# Altium PCB PCB1.PcbDoc (part 8 of 14) (continued)
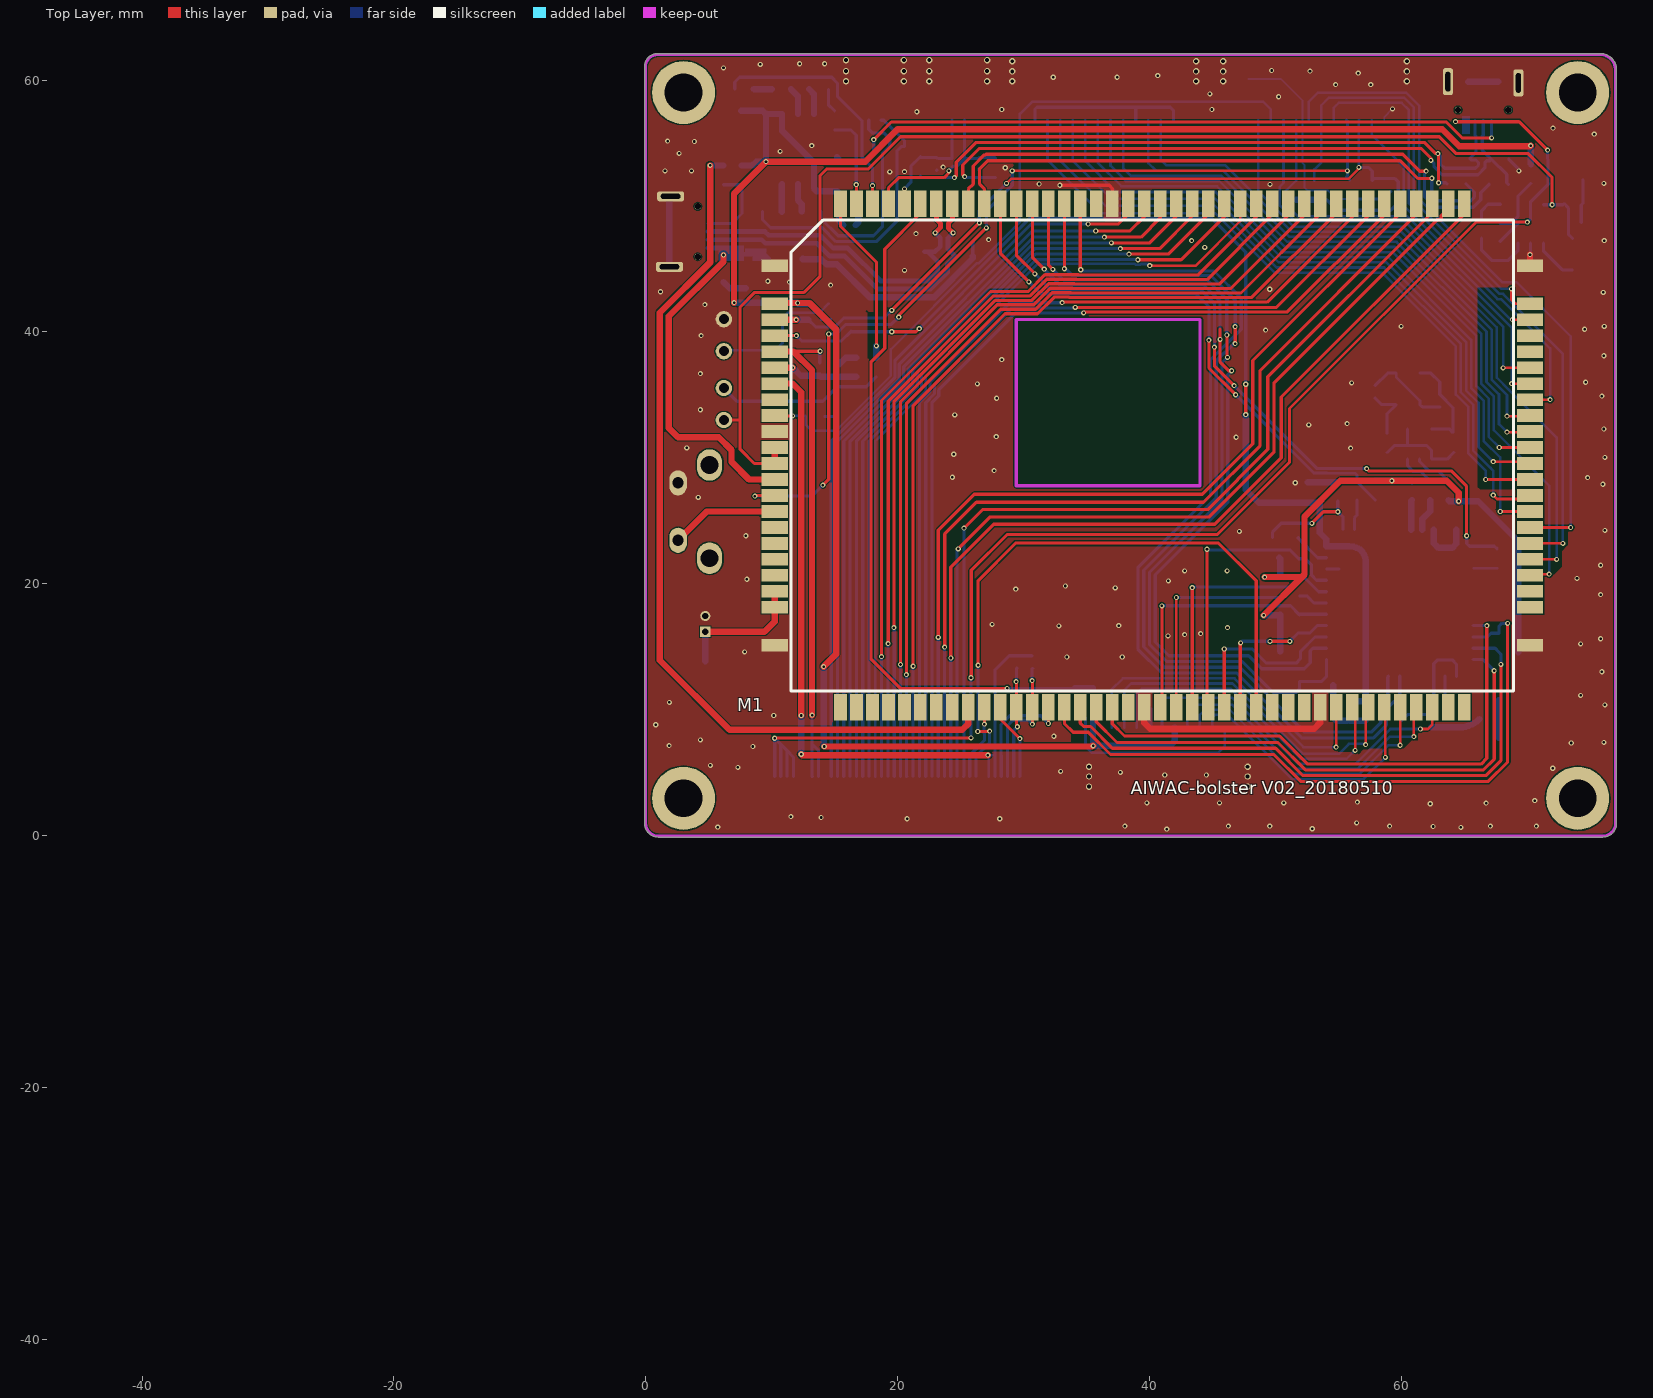
[diagram p0: Top Layer view]
## Free pads (board coordinates) (continued)
1(-45.239,-40.472) 1(-45.239,-40.472) 1(-45.239,-40.499) 1(-45.239,-40.499) 1(-45.239,-40.499) 1(-45.239,-40.511) 1(-45.239,-40.511) 1(-45.239,-40.511) 1(-45.239,-40.483) 1(-45.239,-40.483) 1(-45.239,-40.483) 1(-45.239,-40.483) 1(-45.239,-40.483) 1(-45.239,-40.483) 1(-45.239,-40.466) 1(-45.239,-40.466) 1(-45.239,-40.466) 1(-45.239,-40.465) 1(-45.239,-40.465) 1(-45.239,-40.465) 1(-45.239,-40.465) 1(-45.239,-40.465) 1(-45.239,-40.465) 1(-45.239,-40.488) 1(-45.239,-40.488) 1(-45.239,-40.488) 1(-45.239,-40.488) 1(-45.239,-40.488) 1(-45.239,-40.488) 1(-45.239,-40.487) 1(-45.239,-40.487) 1(-45.239,-40.487) 1(-45.239,-40.487) 1(-45.239,-40.487) 1(-45.239,-40.487) 1(-45.239,-40.487) 1(-45.239,-40.487) 1(-45.239,-40.487) 1(-45.239,-40.486) 1(-45.239,-40.486) 1(-45.239,-40.486) 1(-45.239,-40.483) 1(-45.239,-40.483) 1(-45.239,-40.483) 1(-45.239,-40.482) 1(-45.239,-40.482) 1(-45.239,-40.482) 1(-45.239,-40.482) 1(-45.239,-40.482) 1(-45.239,-40.482) 1(-45.239,-40.482) 1(-45.239,-40.482) 1(-45.239,-40.482) 1(-45.239,-40.482) 1(-45.239,-40.482) 1(-45.239,-40.482) 1(-45.239,-40.493) 1(-45.239,-40.493) 1(-45.239,-40.493) 1(-45.239,-40.493) 1(-45.239,-40.493) 1(-45.239,-40.493) 1(-45.239,-40.493) 1(-45.239,-40.493) 1(-45.239,-40.493) 1(-45.239,-40.491) 1(-45.239,-40.491) 1(-45.239,-40.491) 1(-45.239,-40.49) 1(-45.239,-40.49) 1(-45.239,-40.49) 1(-45.239,-40.488) 1(-45.239,-40.488) 1(-45.239,-40.488) 1(-45.239,-40.488) 1(-45.239,-40.488) 1(-45.239,-40.488) 1(-45.239,-40.516) 1(-45.239,-40.516) 1(-45.239,-40.516) 1(-45.239,-40.516) 1(-45.239,-40.516) 1(-45.239,-40.516) 1(-45.239,-40.479) 1(-45.239,-40.479) 1(-45.239,-40.479) 1(-45.239,-40.479) 1(-45.239,-40.479) 1(-45.239,-40.479) 1(-45.239,-40.473) 1(-45.239,-40.473) 1(-45.239,-40.473) 1(-45.239,-40.473) 1(-45.239,-40.473) 1(-45.239,-40.473) 1(-45.239,-40.474) 1(-45.239,-40.474) 1(-45.239,-40.474) 1(-45.239,-40.474) 1(-45.239,-40.474) 1(-45.239,-40.474) 1(-45.239,-40.498) 1(-45.239,-40.498) 1(-45.239,-40.498) 1(-45.239,-40.498) 1(-45.239,-40.498) 1(-45.239,-40.498) 1(-45.239,-40.498) 1(-45.239,-40.498) 1(-45.239,-40.498) 1(-45.239,-40.497) 1(-45.239,-40.497) 1(-45.239,-40.497) 1(-45.239,-40.502) 1(-45.239,-40.502) 1(-45.239,-40.502) 1(-45.239,-40.502) 1(-45.239,-40.502) 1(-45.239,-40.502) 1(-45.239,-40.502) 1(-45.239,-40.502) 1(-45.239,-40.502) 1(-45.239,-40.502) 1(-45.239,-40.502) 1(-45.239,-40.502) 1(-45.239,-40.465) 1(-45.239,-40.465) 1(-45.239,-40.465) 1(-45.239,-40.465) 1(-45.239,-40.465) 1(-45.239,-40.465) 1(-45.239,-40.517) 1(-45.239,-40.517) 1(-45.239,-40.517) 1(-45.239,-40.517) 1(-45.239,-40.517) 1(-45.239,-40.517) 1(-45.238,-40.481) 1(-45.238,-40.481) 1(-45.238,-40.481) 1(-45.238,-40.481) 1(-45.238,-40.481) 1(-45.238,-40.481) 1(-45.238,-40.484) 1(-45.238,-40.484) 1(-45.238,-40.484) 1(-45.238,-40.484) 1(-45.238,-40.484) 1(-45.238,-40.484) 1(-45.238,-40.485) 1(-45.238,-40.485) 1(-45.238,-40.485) 1(-45.238,-40.485) 1(-45.238,-40.485) 1(-45.238,-40.485) 1(-45.238,-40.485) 1(-45.238,-40.485) 1(-45.238,-40.485) 1(-45.238,-40.499) 1(-45.238,-40.499) 1(-45.238,-40.499) 1(-45.238,-40.498) 1(-45.238,-40.498) 1(-45.238,-40.498) 1(-45.238,-40.498) 1(-45.238,-40.498) 1(-45.238,-40.498) 1(-45.238,-40.465) 1(-45.238,-40.465) 1(-45.238,-40.465) 1(-45.238,-40.471) 1(-45.238,-40.471) 1(-45.238,-40.471) 1(-45.238,-40.471) 1(-45.238,-40.471) 1(-45.238,-40.471) 1(-45.238,-40.466) 1(-45.238,-40.466) 1(-45.238,-40.466) 1(-45.238,-40.517) 1(-45.238,-40.517) 1(-45.238,-40.517) 1(-45.238,-40.517) 1(-45.238,-40.517) 1(-45.238,-40.517) 1(-45.238,-40.49) 1(-45.238,-40.49) 1(-45.238,-40.49) 1(-45.238,-40.49) 1(-45.238,-40.49) 1(-45.238,-40.49) 1(-45.238,-40.49) 1(-45.238,-40.49) 1(-45.238,-40.49) 1(-45.238,-40.471) 1(-45.238,-40.471) 1(-45.238,-40.471) 1(-45.238,-40.471) 1(-45.238,-40.471) 1(-45.238,-40.471) 1(-45.238,-40.47) 1(-45.238,-40.47) 1(-45.238,-40.47) 1(-45.238,-40.47) 1(-45.238,-40.47) 1(-45.238,-40.47) 1(-45.238,-40.47) 1(-45.238,-40.47) 1(-45.238,-40.47) 1(-45.238,-40.467) 1(-45.238,-40.467) 1(-45.238,-40.467) 1(-45.238,-40.467) 1(-45.238,-40.467) 1(-45.238,-40.467) 1(-45.238,-40.498) 1(-45.238,-40.498) 1(-45.238,-40.498) 1(-45.238,-40.487) 1(-45.238,-40.487) 1(-45.238,-40.487) 1(-45.238,-40.487) 1(-45.238,-40.487) 1(-45.238,-40.487) 1(-45.238,-40.516) 1(-45.238,-40.516) 1(-45.238,-40.516) 1(-45.238,-40.516) 1(-45.238,-40.516) 1(-45.238,-40.516) 1(-45.238,-40.488) 1(-45.238,-40.488) 1(-45.238,-40.488) 1(-45.238,-40.473) 1(-45.238,-40.473) 1(-45.238,-40.473) 1(-45.238,-40.473) 1(-45.238,-40.473) 1(-45.238,-40.473) 1(-45.238,-40.471) 1(-45.238,-40.471) 1(-45.238,-40.471) 1(-45.238,-40.483) 1(-45.238,-40.483) 1(-45.238,-40.483) 1(-45.238,-40.483) 1(-45.238,-40.483) 1(-45.238,-40.483) 1(-45.238,-40.482) 1(-45.238,-40.482) 1(-45.238,-40.482) 1(-45.238,-40.482) 1(-45.238,-40.482) 1(-45.238,-40.482) 1(-45.238,-40.487) 1(-45.238,-40.487) 1(-45.238,-40.487) 1(-45.238,-40.485) 1(-45.238,-40.485) 1(-45.238,-40.485) 1(-45.238,-40.484) 1(-45.238,-40.484) 1(-45.238,-40.484) 1(-45.238,-40.484) 1(-45.238,-40.484) 1(-45.238,-40.484) 1(-45.237,-40.503) 1(-45.237,-40.503) 1(-45.237,-40.503) 1(-45.237,-40.509) 1(-45.237,-40.509) 1(-45.237,-40.509) 1(-45.237,-40.507) 1(-45.237,-40.507) 1(-45.237,-40.507) 1(-45.237,-40.506) 1(-45.237,-40.506) 1(-45.237,-40.506) 1(-45.237,-40.501) 1(-45.237,-40.501) 1(-45.237,-40.501) 1(-45.237,-40.493) 1(-45.237,-40.493) 1(-45.237,-40.493) 1(-45.237,-40.499) 1(-45.237,-40.499) 1(-45.237,-40.499) 1(-45.237,-40.498) 1(-45.237,-40.498) 1(-45.237,-40.498) 1(-45.237,-40.498) 1(-45.237,-40.498) 1(-45.237,-40.498) 1(-45.237,-40.504) 1(-45.237,-40.504) 1(-45.237,-40.504) 1(-45.237,-40.516) 1(-45.237,-40.516) 1(-45.237,-40.516) 1(-45.237,-40.516) 1(-45.237,-40.516) 1(-45.237,-40.516) 1(-45.237,-40.494) 1(-45.237,-40.494) 1(-45.237,-40.494) 1(-45.237,-40.494) 1(-45.237,-40.494) 1(-45.237,-40.494) 1(-45.237,-40.491) 1(-45.237,-40.491) 1(-45.237,-40.491) 1(-45.237,-40.518) 1(-45.237,-40.518) 1(-45.237,-40.518) 1(-45.237,-40.518) 1(-45.237,-40.518) 1(-45.237,-40.518) 1(-45.237,-40.498) 1(-45.237,-40.498) 1(-45.237,-40.498) 1(-45.237,-40.498) 1(-45.237,-40.498) 1(-45.237,-40.498) 1(-45.237,-40.497) 1(-45.237,-40.497) 1(-45.237,-40.497) 1(-45.237,-40.495) 1(-45.237,-40.495) 1(-45.237,-40.495) 1(-45.237,-40.495) 1(-45.237,-40.495) 1(-45.237,-40.495) 1(-45.237,-40.495) 1(-45.237,-40.495) 1(-45.237,-40.495) 1(-45.237,-40.495) 1(-45.237,-40.495) 1(-45.237,-40.495) 1(-45.237,-40.495) 1(-45.237,-40.495) 1(-45.237,-40.495) 1(-45.237,-40.495) 1(-45.237,-40.495) 1(-45.237,-40.495) 1(-45.237,-40.518) 1(-45.237,-40.518) 1(-45.237,-40.518) 1(-45.237,-40.518) 1(-45.237,-40.518) 1(-45.237,-40.518) 1(-45.237,-40.484) 1(-45.237,-40.484) 1(-45.237,-40.484) 1(-45.237,-40.484) 1(-45.237,-40.484) 1(-45.237,-40.484) 1(-45.237,-40.47) 1(-45.237,-40.47) 1(-45.237,-40.47) 1(-45.237,-40.47) 1(-45.237,-40.47) 1(-45.237,-40.47) 1(-45.237,-40.47) 1(-45.237,-40.47) 1(-45.237,-40.47) 1(-45.237,-40.466) 1(-45.237,-40.466) 1(-45.237,-40.466) 1(-45.237,-40.466) 1(-45.237,-40.466) 1(-45.237,-40.466) 1(-45.237,-40.466) 1(-45.237,-40.466) 1(-45.237,-40.466) 1(-45.237,-40.518) 1(-45.237,-40.518) 1(-45.237,-40.518) 1(-45.237,-40.518) 1(-45.237,-40.518) 1(-45.237,-40.518) 1(-45.237,-40.474) 1(-45.237,-40.474) 1(-45.237,-40.474) 1(-45.237,-40.474) 1(-45.237,-40.474) 1(-45.237,-40.474) 1(-45.237,-40.474) 1(-45.237,-40.474) 1(-45.237,-40.474) 1(-45.237,-40.474) 1(-45.237,-40.474) 1(-45.237,-40.474) 1(-45.237,-40.489) 1(-45.237,-40.489) 1(-45.237,-40.489) 1(-45.237,-40.489) 1(-45.237,-40.489) 1(-45.237,-40.489) 1(-45.237,-40.486) 1(-45.237,-40.486) 1(-45.237,-40.486) 1(-45.237,-40.486) 1(-45.237,-40.486) 1(-45.237,-40.486) 1(-45.237,-40.481) 1(-45.237,-40.481) 1(-45.237,-40.481) 1(-45.237,-40.481) 1(-45.237,-40.481) 1(-45.237,-40.481) 1(-45.237,-40.474) 1(-45.237,-40.474) 1(-45.237,-40.474) 1(-45.237,-40.474) 1(-45.237,-40.474) 1(-45.237,-40.474) 1(-45.237,-40.474) 1(-45.237,-40.474) 1(-45.237,-40.474) 1(-45.237,-40.474) 1(-45.237,-40.474) 1(-45.237,-40.474) 1(-45.237,-40.519) 1(-45.237,-40.519) 1(-45.237,-40.519) 1(-45.237,-40.519) 1(-45.237,-40.519) 1(-45.237,-40.519) 1(-45.237,-40.516) 1(-45.237,-40.516) 1(-45.237,-40.516) 1(-45.237,-40.516) 1(-45.237,-40.516) 1(-45.237,-40.516) 1(-45.236,-40.516) 1(-45.236,-40.516) 1(-45.236,-40.516) 1(-45.236,-40.516) 1(-45.236,-40.516) 1(-45.236,-40.516) 1(-45.236,-40.485) 1(-45.236,-40.485) 1(-45.236,-40.485) 1(-45.236,-40.483) 1(-45.236,-40.483) 1(-45.236,-40.483) 1(-45.236,-40.483) 1(-45.236,-40.483) 1(-45.236,-40.483) 1(-45.236,-40.47) 1(-45.236,-40.47) 1(-45.236,-40.47) 1(-45.236,-40.47) 1(-45.236,-40.47) 1(-45.236,-40.47) 1(-45.236,-40.498) 1(-45.236,-40.498) 1(-45.236,-40.498) 1(-45.236,-40.491) 1(-45.236,-40.491) 1(-45.236,-40.491) 1(-45.236,-40.515) 1(-45.236,-40.515) 1(-45.236,-40.515) 1(-45.236,-40.515) 1(-45.236,-40.515) 1(-45.236,-40.515) 1(-45.236,-40.479) 1(-45.236,-40.479) 1(-45.236,-40.479) 1(-45.236,-40.463) 1(-45.236,-40.463) 1(-45.236,-40.463) 1(-45.236,-40.468) 1(-45.236,-40.468) 1(-45.236,-40.468) 1(-45.236,-40.468) 1(-45.236,-40.468) 1(-45.236,-40.468) 1(-45.236,-40.466) 1(-45.236,-40.466) 1(-45.236,-40.466) 1(-45.236,-40.473) 1(-45.236,-40.473) 1(-45.236,-40.473) 1(-45.236,-40.473) 1(-45.236,-40.473) 1(-45.236,-40.473) 1(-45.236,-40.471) 1(-45.236,-40.471) 1(-45.236,-40.471) 1(-45.236,-40.471) 1(-45.236,-40.471) 1(-45.236,-40.471) 1(-45.236,-40.47) 1(-45.236,-40.47) 1(-45.236,-40.47) 1(-45.236,-40.47) 1(-45.236,-40.47) 1(-45.236,-40.47) 1(-45.236,-40.5) 1(-45.236,-40.5) 1(-45.236,-40.5) 1(-45.236,-40.49) 1(-45.236,-40.49) 1(-45.236,-40.49) 1(-45.236,-40.515) 1(-45.236,-40.515) 1(-45.236,-40.515) 1(-45.236,-40.515) 1(-45.236,-40.515) 1(-45.236,-40.515) 1(-45.236,-40.482) 1(-45.236,-40.482) 1(-45.236,-40.482) 1(-45.236,-40.471) 1(-45.236,-40.471) 1(-45.236,-40.471) 1(-45.236,-40.471) 1(-45.236,-40.471) 1(-45.236,-40.471) 1(-45.236,-40.493) 1(-45.236,-40.493) 1(-45.236,-40.493) 1(-45.236,-40.497) 1(-45.236,-40.497) 1(-45.236,-40.497) 1(-45.236,-40.489) 1(-45.236,-40.489) 1(-45.236,-40.489) 1(-45.236,-40.487) 1(-45.236,-40.487) 1(-45.236,-40.487) 1(-45.236,-40.482) 1(-45.236,-40.482) 1(-45.236,-40.482) 1(-45.236,-40.482) 1(-45.236,-40.482) 1(-45.236,-40.482) 1(-45.236,-40.486) 1(-45.236,-40.486) 1(-45.236,-40.486) 1(-45.235,-40.485) 1(-45.235,-40.485) 1(-45.235,-40.485) 1(-45.235,-40.485) 1(-45.235,-40.485) 1(-45.235,-40.485) 1(-45.235,-40.485) 1(-45.235,-40.485) 1(-45.235,-40.485) 1(-45.235,-40.485) 1(-45.235,-40.485) 1(-45.235,-40.485) 1(-45.235,-40.514) 1(-45.235,-40.514) 1(-45.235,-40.514) 1(-45.235,-40.514) 1(-45.235,-40.514) 1(-45.235,-40.514) 1(-45.235,-40.513) 1(-45.235,-40.513) 1(-45.235,-40.513) 1(-45.235,-40.513) 1(-45.235,-40.513) 1(-45.235,-40.513) 1(-45.235,-40.509) 1(-45.235,-40.509) 1(-45.235,-40.509) 1(-45.235,-40.507) 1(-45.235,-40.507) 1(-45.235,-40.507) 1(-45.235,-40.505) 1(-45.235,-40.505) 1(-45.235,-40.505) 1(-45.235,-40.504) 1(-45.235,-40.504) 1(-45.235,-40.504) 1(-45.235,-40.502) 1(-45.235,-40.502) 1(-45.235,-40.502) 1(-45.235,-40.465) 1(-45.235,-40.465) 1(-45.235,-40.465) 1(-45.235,-40.465) 1(-45.235,-40.465) 1(-45.235,-40.465) 1(-45.235,-40.489) 1(-45.235,-40.489) 1(-45.235,-40.489) 1(-45.235,-40.489) 1(-45.235,-40.489) 1(-45.235,-40.489) 1(-45.235,-40.479) 1(-45.235,-40.479) 1(-45.235,-40.479) 1(-45.235,-40.479) 1(-45.235,-40.479) 1(-45.235,-40.479) 1(-45.235,-40.483) 1(-45.235,-40.483) 1(-45.235,-40.483) 1(-45.235,-40.483) 1(-45.235,-40.483) 1(-45.235,-40.483) 1(-45.235,-40.473) 1(-45.235,-40.473) 1(-45.235,-40.473) 1(-45.235,-40.473) 1(-45.235,-40.473) 1(-45.235,-40.473) 1(-45.235,-40.478) 1(-45.235,-40.478) 1(-45.235,-40.478) 1(-45.235,-40.478) 1(-45.235,-40.478) 1(-45.235,-40.478) 1(-45.235,-40.466) 1(-45.235,-40.466) 1(-45.235,-40.466) 1(-45.235,-40.466) 1(-45.235,-40.466) 1(-45.235,-40.466) 1(-45.235,-40.466) 1(-45.235,-40.466) 1(-45.235,-40.466) 1(-45.235,-40.483) 1(-45.235,-40.483) 1(-45.235,-40.483) 1(-45.235,-40.482) 1(-45.235,-40.482) 1(-45.235,-40.482) 1(-45.235,-40.482) 1(-45.235,-40.482) 1(-45.235,-40.482) 1(-45.235,-40.517) 1(-45.235,-40.517) 1(-45.235,-40.517) 1(-45.235,-40.517) 1(-45.235,-40.517) 1(-45.235,-40.517) 1(-45.235,-40.478) 1(-45.235,-40.478) 1(-45.235,-40.478) 1(-45.235,-40.478) 1(-45.235,-40.478) 1(-45.235,-40.478) 1(-45.235,-40.514) 1(-45.235,-40.514) 1(-45.235,-40.514) 1(-45.235,-40.514) 1(-45.235,-40.514) 1(-45.235,-40.514) 1(-45.235,-40.513) 1(-45.235,-40.513) 1(-45.235,-40.513) 1(-45.235,-40.513) 1(-45.235,-40.513) 1(-45.235,-40.513) 1(-45.235,-40.493) 1(-45.235,-40.493) 1(-45.235,-40.493) 1(-45.235,-40.491) 1(-45.235,-40.491) 1(-45.235,-40.491) 1(-45.235,-40.49) 1(-45.235,-40.49) 1(-45.235,-40.49) 1(-45.235,-40.49) 1(-45.235,-40.49) 1(-45.235,-40.49) 1(-45.235,-40.487) 1(-45.235,-40.487) 1(-45.235,-40.487) 1(-45.235,-40.487) 1(-45.235,-40.487) 1(-45.235,-40.487) 1(-45.235,-40.512) 1(-45.235,-40.512) 1(-45.235,-40.512) 1(-45.235,-40.512) 1(-45.235,-40.512) 1(-45.235,-40.512) 1(-45.235,-40.511) 1(-45.235,-40.511) 1(-45.235,-40.511) 1(-45.235,-40.511) 1(-45.235,-40.511) 1(-45.235,-40.511) 1(-45.235,-40.488) 1(-45.235,-40.488) 1(-45.235,-40.488) 1(-45.235,-40.511) 1(-45.235,-40.511) 1(-45.235,-40.511) 1(-45.235,-40.477) 1(-45.235,-40.477) 1(-45.235,-40.477) 1(-45.235,-40.477) 1(-45.235,-40.477) 1(-45.235,-40.477) 1(-45.235,-40.516) 1(-45.235,-40.516) 1(-45.235,-40.516) 1(-45.235,-40.516) 1(-45.235,-40.516) 1(-45.235,-40.516) 1(-45.235,-40.485) 1(-45.235,-40.485) 1(-45.235,-40.485) 1(-45.235,-40.485) 1(-45.235,-40.485) 1(-45.235,-40.485) 1(-45.235,-40.515) 1(-45.235,-40.515) 1(-45.235,-40.515) 1(-45.235,-40.515) 1(-45.235,-40.515) 1(-45.235,-40.515) 1(-45.235,-40.515) 1(-45.235,-40.515) 1(-45.235,-40.515) 1(-45.235,-40.515) 1(-45.235,-40.515) 1(-45.235,-40.515) 1(-45.234,-40.474) 1(-45.234,-40.474) 1(-45.234,-40.474) 1(-45.234,-40.474) 1(-45.234,-40.474) 1(-45.234,-40.474) 1(-45.234,-40.472) 1(-45.234,-40.472) 1(-45.234,-40.472) 1(-45.234,-40.471) 1(-45.234,-40.471) 1(-45.234,-40.471) 1(-45.234,-40.471) 1(-45.234,-40.471) 1(-45.234,-40.471) 1(-45.234,-40.47) 1(-45.234,-40.47) 1(-45.234,-40.47) 1(-45.234,-40.496) 1(-45.234,-40.496) 1(-45.234,-40.496) 1(-45.234,-40.495) 1(-45.234,-40.495) 1(-45.234,-40.495) 1(-45.234,-40.477) 1(-45.234,-40.477) 1(-45.234,-40.477) 1(-45.234,-40.477) 1(-45.234,-40.477) 1(-45.234,-40.477) 1(-45.234,-40.466) 1(-45.234,-40.466) 1(-45.234,-40.466) 1(-45.234,-40.492) 1(-45.234,-40.492) 1(-45.234,-40.492) 1(-45.234,-40.492) 1(-45.234,-40.492) 1(-45.234,-40.492) 1(-45.234,-40.513) 1(-45.234,-40.513) 1(-45.234,-40.513) 1(-45.234,-40.513) 1(-45.234,-40.513) 1(-45.234,-40.513) 1(-45.234,-40.477) 1(-45.234,-40.477) 1(-45.234,-40.477) 1(-45.234,-40.477) 1(-45.234,-40.477) 1(-45.234,-40.477) 1(-45.234,-40.471) 1(-45.234,-40.471) 1(-45.234,-40.471) 1(-45.234,-40.471) 1(-45.234,-40.471) 1(-45.234,-40.471) 1(-45.234,-40.489) 1(-45.234,-40.489) 1(-45.234,-40.489) 1(-45.234,-40.489) 1(-45.234,-40.489) 1(-45.234,-40.489) 1(-45.234,-40.487) 1(-45.234,-40.487) 1(-45.234,-40.487) 1(-45.234,-40.487) 1(-45.234,-40.487) 1(-45.234,-40.487) 1(-45.234,-40.487) 1(-45.234,-40.487) 1(-45.234,-40.487) 1(-45.234,-40.487) 1(-45.234,-40.487) 1(-45.234,-40.487) 1(-45.234,-40.476) 1(-45.234,-40.476) 1(-45.234,-40.476) 1(-45.234,-40.476) 1(-45.234,-40.476) 1(-45.234,-40.476) 1(-45.234,-40.491) 1(-45.234,-40.491) 1(-45.234,-40.491) 1(-45.234,-40.497) 1(-45.234,-40.497) 1(-45.234,-40.497) 1(-45.234,-40.473) 1(-45.234,-40.473) 1(-45.234,-40.473) 1(-45.234,-40.473) 1(-45.234,-40.473) 1(-45.234,-40.473) 1(-45.234,-40.471) 1(-45.234,-40.471) 1(-45.234,-40.471) 1(-45.234,-40.471) 1(-45.234,-40.471) 1(-45.234,-40.471) 1(-45.234,-40.476) 1(-45.234,-40.476) 1(-45.234,-40.476) 1(-45.234,-40.476) 1(-45.234,-40.476) 1(-45.234,-40.476) 1(-45.234,-40.484) 1(-45.234,-40.484) 1(-45.234,-40.484) 1(-45.234,-40.484) 1(-45.234,-40.484) 1(-45.234,-40.484) 1(-45.234,-40.485) 1(-45.234,-40.485) 1(-45.234,-40.485) 1(-45.234,-40.485) 1(-45.234,-40.485) 1(-45.234,-40.485) 1(-45.234,-40.512) 1(-45.234,-40.512) 1(-45.234,-40.512) 1(-45.234,-40.511) 1(-45.234,-40.511) 1(-45.234,-40.511) 1(-45.234,-40.485) 1(-45.234,-40.485) 1(-45.234,-40.485) 1(-45.234,-40.485) 1(-45.234,-40.485) 1(-45.234,-40.485) 1(-45.234,-40.484) 1(-45.234,-40.484) 1(-45.234,-40.484) 1(-45.234,-40.484) 1(-45.234,-40.484) 1(-45.234,-40.484) 1(-45.234,-40.484) 1(-45.234,-40.484) 1(-45.234,-40.484) 1(-45.234,-40.483) 1(-45.234,-40.483) 1(-45.234,-40.483) 1(-45.234,-40.482) 1(-45.234,-40.482) 1(-45.234,-40.482) 1(-45.234,-40.482) 1(-45.234,-40.482) 1(-45.234,-40.482) 1(-45.234,-40.482) 1(-45.234,-40.482) 1(-45.234,-40.482) 1(-45.234,-40.482) 1(-45.234,-40.482) 1(-45.234,-40.482) 1(-45.234,-40.516) 1(-45.234,-40.516) 1(-45.234,-40.516) 1(-45.234,-40.516) 1(-45.234,-40.516) 1(-45.234,-40.516) 1(-45.234,-40.475) 1(-45.234,-40.475) 1(-45.234,-40.475) 1(-45.234,-40.475) 1(-45.234,-40.475) 1(-45.234,-40.475) 1(-45.234,-40.481) 1(-45.234,-40.481) 1(-45.234,-40.481) 1(-45.234,-40.481) 1(-45.234,-40.481) 1(-45.234,-40.481) 1(-45.234,-40.514) 1(-45.234,-40.514) 1(-45.234,-40.514) 1(-45.234,-40.513) 1(-45.234,-40.513) 1(-45.234,-40.513) 1(-45.234,-40.517) 1(-45.234,-40.517) 1(-45.234,-40.517) 1(-45.234,-40.465) 1(-45.234,-40.465) 1(-45.234,-40.465) 1(-45.234,-40.465) 1(-45.234,-40.465) 1(-45.234,-40.465) 1(-45.234,-40.475) 1(-45.234,-40.475) 1(-45.234,-40.475) 1(-45.234,-40.475) 1(-45.234,-40.475) 1(-45.234,-40.475) 1(-45.233,-40.473) 1(-45.233,-40.473) 1(-45.233,-40.473) 1(-45.233,-40.473) 1(-45.233,-40.473) 1(-45.233,-40.473) 1(-45.233,-40.47) 1(-45.233,-40.47) 1(-45.233,-40.47) 1(-45.233,-40.47) 1(-45.233,-40.47) 1(-45.233,-40.47) 1(-45.233,-40.465) 1(-45.233,-40.465) 1(-45.233,-40.465) 1(-45.233,-40.465) 1(-45.233,-40.465) 1(-45.233,-40.465) 1(-45.233,-40.474) 1(-45.233,-40.474) 1(-45.233,-40.474) 1(-45.233,-40.474) 1(-45.233,-40.474) 1(-45.233,-40.474) 1(-45.233,-40.464) 1(-45.233,-40.464) 1(-45.233,-40.464) 1(-45.233,-40.464) 1(-45.233,-40.464) 1(-45.233,-40.464) 1(-45.233,-40.474) 1(-45.233,-40.474) 1(-45.233,-40.474) 1(-45.233,-40.474) 1(-45.233,-40.474) 1(-45.233,-40.474) 1(-45.233,-40.514) 1(-45.233,-40.514) 1(-45.233,-40.514) 1(-45.233,-40.514) 1(-45.233,-40.514) 1(-45.233,-40.514) 1(-45.233,-40.494) 1(-45.233,-40.494) 1(-45.233,-40.494) 1(-45.233,-40.494) 1(-45.233,-40.494) 1(-45.233,-40.494) 1(-45.233,-40.493) 1(-45.233,-40.493) 1(-45.233,-40.493) 1(-45.233,-40.492) 1(-45.233,-40.492) 1(-45.233,-40.492) 1(-45.233,-40.492) 1(-45.233,-40.492) 1(-45.233,-40.492) 1(-45.233,-40.491) 1(-45.233,-40.491) 1(-45.233,-40.491) 1(-45.233,-40.492) 1(-45.233,-40.492) 1(-45.233,-40.492) 1(-45.233,-40.492) 1(-45.233,-40.492) 1(-45.233,-40.492) 1(-45.233,-40.492) 1(-45.233,-40.492) 1(-45.233,-40.492) 1(-45.233,-40.473) 1(-45.233,-40.473) 1(-45.233,-40.473) 1(-45.233,-40.473) 1(-45.233,-40.473) 1(-45.233,-40.473) 1(-45.233,-40.466) 1(-45.233,-40.466) 1(-45.233,-40.466) 1(-45.233,-40.466) 1(-45.233,-40.466) 1(-45.233,-40.466) 1(-45.233,-40.494) 1(-45.233,-40.494) 1(-45.233,-40.494) 1(-45.233,-40.494) 1(-45.233,-40.494) 1(-45.233,-40.494) 1(-45.233,-40.502) 1(-45.233,-40.502) 1(-45.233,-40.502) 1(-45.233,-40.515) 1(-45.233,-40.515) 1(-45.233,-40.515) 1(-45.233,-40.515) 1(-45.233,-40.515) 1(-45.233,-40.515) 1(-45.233,-40.5) 1(-45.233,-40.5) 1(-45.233,-40.5) 1(-45.233,-40.473) 1(-45.233,-40.473) 1(-45.233,-40.473) 1(-45.233,-40.473) 1(-45.233,-40.473) 1(-45.233,-40.473) 1(-45.233,-40.465) 1(-45.233,-40.465) 1(-45.233,-40.465) 1(-45.233,-40.465) 1(-45.233,-40.465) 1(-45.233,-40.465) 1(-45.233,-40.505) 1(-45.233,-40.505) 1(-45.233,-40.505) 1(-45.233,-40.507) 1(-45.233,-40.507) 1(-45.233,-40.507) 1(-45.233,-40.504) 1(-45.233,-40.504) 1(-45.233,-40.504) 1(-45.232,-40.509) 1(-45.232,-40.509) 1(-45.232,-40.509) 1(-45.232,-40.485) 1(-45.232,-40.485) 1(-45.232,-40.485) 1(-45.232,-40.483) 1(-45.232,-40.483) 1(-45.232,-40.483) 1(-45.232,-40.49) 1(-45.232,-40.49) 1(-45.232,-40.49) 1(-45.232,-40.473) 1(-45.232,-40.473) 1(-45.232,-40.473) 1(-45.232,-40.473) 1(-45.232,-40.473) 1(-45.232,-40.473) 1(-45.232,-40.465) 1(-45.232,-40.465) 1(-45.232,-40.465) 1(-45.232,-40.465) 1(-45.232,-40.465) 1(-45.232,-40.465) 1(-45.232,-40.494) 1(-45.232,-40.494) 1(-45.232,-40.494) 1(-45.232,-40.494) 1(-45.232,-40.494) 1(-45.232,-40.494) 1(-45.232,-40.493) 1(-45.232,-40.493) 1(-45.232,-40.493) 1(-45.232,-40.489) 1(-45.232,-40.489) 1(-45.232,-40.489) 1(-45.232,-40.489) 1(-45.232,-40.489) 1(-45.232,-40.489) 1(-45.232,-40.489) 1(-45.232,-40.489) 1(-45.232,-40.489) 1(-45.232,-40.489) 1(-45.232,-40.489) 1(-45.232,-40.489) 1(-45.232,-40.487) 1(-45.232,-40.487) 1(-45.232,-40.487) 1(-45.232,-40.515) 1(-45.232,-40.515) 1(-45.232,-40.515) 1(-45.232,-40.515) 1(-45.232,-40.515) 1(-45.232,-40.515) 1(-45.232,-40.494) 1(-45.232,-40.494) 1(-45.232,-40.494) 1(-45.232,-40.494) 1(-45.232,-40.494) 1(-45.232,-40.494) 1(-45.232,-40.462) 1(-45.232,-40.462) 1(-45.232,-40.462) 1(-45.232,-40.489) 1(-45.232,-40.489) 1(-45.232,-40.489) 1(-45.232,-40.489) 1(-45.232,-40.489) 1(-45.232,-40.489) 1(-45.232,-40.473) 1(-45.232,-40.473) 1(-45.232,-40.473) 1(-45.232,-40.473) 1(-45.232,-40.473) 1(-45.232,-40.473) 1(-45.232,-40.471) 1(-45.232,-40.471) 1(-45.232,-40.471) 1(-45.232,-40.471) 1(-45.232,-40.471) 1(-45.232,-40.471) 1(-45.232,-40.47) 1(-45.232,-40.47) 1(-45.232,-40.47) 1(-45.232,-40.47) 1(-45.232,-40.47) 1(-45.232,-40.47) 1(-45.232,-40.485) 1(-45.232,-40.485) 1(-45.232,-40.485) 1(-45.232,-40.485) 1(-45.232,-40.485) 1(-45.232,-40.485) 1(-45.232,-40.492) 1(-45.232,-40.492) 1(-45.232,-40.492) 1(-45.232,-40.492) 1(-45.232,-40.492) 1(-45.232,-40.492) 1(-45.232,-40.516) 1(-45.232,-40.516) 1(-45.232,-40.516) 1(-45.231,-40.494) 1(-45.231,-40.494) 1(-45.231,-40.494) 1(-45.231,-40.494) 1(-45.231,-40.494) 1(-45.231,-40.494) 1(-45.231,-40.495) 1(-45.231,-40.495) 1(-45.231,-40.495) 1(-45.231,-40.47) 1(-45.231,-40.47) 1(-45.231,-40.47) 1(-45.231,-40.47) 1(-45.231,-40.47) 1(-45.231,-40.47) 1(-45.231,-40.487) 1(-45.231,-40.487) 1(-45.231,-40.487) 1(-45.231,-40.487) 1(-45.231,-40.487) 1(-45.231,-40.487) 1(-45.231,-40.514) 1(-45.231,-40.514) 1(-45.231,-40.514) 1(-45.231,-40.514) 1(-45.231,-40.514) 1(-45.231,-40.514) 1(-45.231,-40.493) 1(-45.231,-40.493) 1(-45.231,-40.493) 1(-45.231,-40.493) 1(-45.231,-40.493) 1(-45.231,-40.493) 1(-45.231,-40.493) 1(-45.231,-40.493) 1(-45.231,-40.493) 1(-45.231,-40.493) 1(-45.231,-40.493) 1(-45.231,-40.493) 1(-45.231,-40.491) 1(-45.231,-40.491) 1(-45.231,-40.491) 1(-45.231,-40.472) 1(-45.231,-40.472) 1(-45.231,-40.472) 1(-45.231,-40.472) 1(-45.231,-40.472) 1(-45.231,-40.472) 1(-45.231,-40.471) 1(-45.231,-40.471) 1(-45.231,-40.471) 1(-45.231,-40.471) 1(-45.231,-40.471) 1(-45.231,-40.471) 1(-45.231,-40.517) 1(-45.231,-40.517) 1(-45.231,-40.517) 1(-45.231,-40.513) 1(-45.231,-40.513) 1(-45.231,-40.513) 1(-45.231,-40.513) 1(-45.231,-40.513) 1(-45.231,-40.513) 1(-45.231,-40.512) 1(-45.231,-40.512) 1(-45.231,-40.512) 1(-45.231,-40.512) 1(-45.231,-40.512) 1(-45.231,-40.512) 1(-45.231,-40.512) 1(-45.231,-40.512) 1(-45.231,-40.512) 1(-45.231,-40.512) 1(-45.231,-40.512) 1(-45.231,-40.512) 1(-45.231,-40.511) 1(-45.231,-40.511) 1(-45.231,-40.511) 1(-45.231,-40.511) 1(-45.231,-40.511) 1(-45.231,-40.511) 1(-45.231,-40.51) 1(-45.231,-40.51) 1(-45.231,-40.51) 1(-45.231,-40.51) 1(-45.231,-40.51) 1(-45.231,-40.51) 1(-45.231,-40.47) 1(-45.231,-40.47) 1(-45.231,-40.47) 1(-45.231,-40.47) 1(-45.231,-40.47) 1(-45.231,-40.47) 1(-45.231,-40.47) 1(-45.231,-40.47) 1(-45.231,-40.47) 1(-45.231,-40.47) 1(-45.231,-40.47) 1(-45.231,-40.47) 1(-45.231,-40.473) 1(-45.231,-40.473) 1(-45.231,-40.473) 1(-45.231,-40.473) 1(-45.231,-40.473) 1(-45.231,-40.473) 1(-45.231,-40.468) 1(-45.231,-40.468) 1(-45.231,-40.468) 1(-45.231,-40.485) 1(-45.231,-40.485) 1(-45.231,-40.485) 1(-45.231,-40.485) 1(-45.231,-40.485) 1(-45.231,-40.485) 1(-45.231,-40.484) 1(-45.231,-40.484) 1(-45.231,-40.484) 1(-45.231,-40.484) 1(-45.231,-40.484) 1(-45.231,-40.484) 1(-45.231,-40.463) 1(-45.231,-40.463) 1(-45.231,-40.463) 1(-45.231,-40.473) 1(-45.231,-40.473) 1(-45.231,-40.473) 1(-45.231,-40.473) 1(-45.231,-40.473) 1(-45.231,-40.473) 1(-45.231,-40.509) 1(-45.231,-40.509) 1(-45.231,-40.509) 1(-45.231,-40.509) 1(-45.231,-40.509) 1(-45.231,-40.509) 1(-45.231,-40.469) 1(-45.231,-40.469) 1(-45.231,-40.469) 1(-45.231,-40.469) 1(-45.231,-40.469) 1(-45.231,-40.469) 1(-45.231,-40.494) 1(-45.231,-40.494) 1(-45.231,-40.494) 1(-45.231,-40.494) 1(-45.231,-40.494) 1(-45.231,-40.494) 1(-45.231,-40.471) 1(-45.231,-40.471) 1(-45.231,-40.471) 1(-45.231,-40.471) 1(-45.231,-40.471) 1(-45.231,-40.471) 1(-45.231,-40.492) 1(-45.231,-40.492) 1(-45.231,-40.492) 1(-45.231,-40.489) 1(-45.231,-40.489) 1(-45.231,-40.489) 1(-45.231,-40.488) 1(-45.231,-40.488) 1(-45.231,-40.488) 1(-45.231,-40.488) 1(-45.231,-40.488) 1(-45.231,-40.488) 1(-45.231,-40.488) 1(-45.231,-40.488) 1(-45.231,-40.488) 1(-45.231,-40.488) 1(-45.231,-40.488) 1(-45.231,-40.488) 1(-45.231,-40.487) 1(-45.231,-40.487) 1(-45.231,-40.487) 1(-45.231,-40.487) 1(-45.231,-40.487) 1(-45.231,-40.487) 1(-45.231,-40.486) 1(-45.231,-40.486) 1(-45.231,-40.486) 1(-45.231,-40.486) 1(-45.231,-40.486) 1(-45.231,-40.486) 1(-45.231,-40.47) 1(-45.231,-40.47) 1(-45.231,-40.47) 1(-45.231,-40.47) 1(-45.231,-40.47) 1(-45.231,-40.47) 1(-45.231,-40.469) 1(-45.231,-40.469) 1(-45.231,-40.469) 1(-45.231,-40.469) 1(-45.231,-40.469) 1(-45.231,-40.469) 1(-45.23,-40.471) 1(-45.23,-40.471) 1(-45.23,-40.471) 1(-45.23,-40.471) 1(-45.23,-40.471) 1(-45.23,-40.471) 1(-45.23,-40.49) 1(-45.23,-40.49) 1(-45.23,-40.49) 1(-45.23,-40.47) 1(-45.23,-40.47) 1(-45.23,-40.47) 1(-45.23,-40.47) 1(-45.23,-40.47) 1(-45.23,-40.47) 1(-45.23,-40.509) 1(-45.23,-40.509) 1(-45.23,-40.509) 1(-45.23,-40.509) 1(-45.23,-40.509) 1(-45.23,-40.509) 1(-45.23,-40.509) 1(-45.23,-40.509) 1(-45.23,-40.509) 1(-45.23,-40.512) 1(-45.23,-40.512) 1(-45.23,-40.512) 1(-45.23,-40.512) 1(-45.23,-40.512) 1(-45.23,-40.512) 1(-45.23,-40.511) 1(-45.23,-40.511) 1(-45.23,-40.511) 1(-45.23,-40.514) 1(-45.23,-40.514) 1(-45.23,-40.514) 1(-45.23,-40.513) 1(-45.23,-40.513) 1(-45.23,-40.513) 1(-45.23,-40.513) 1(-45.23,-40.513) 1(-45.23,-40.513) 1(-45.23,-40.508) 1(-45.23,-40.508) 1(-45.23,-40.508) 1(-45.23,-40.502) 1(-45.23,-40.502) 1(-45.23,-40.502) 1(-45.23,-40.512) 1(-45.23,-40.512) 1(-45.23,-40.512) 1(-45.23,-40.512) 1(-45.23,-40.512) 1(-45.23,-40.512) 1(-45.23,-40.5) 1(-45.23,-40.5) 1(-45.23,-40.5) 1(-45.23,-40.471) 1(-45.23,-40.471) 1(-45.23,-40.471) 1(-45.23,-40.471) 1(-45.23,-40.471) 1(-45.23,-40.471) 1(-45.23,-40.504) 1(-45.23,-40.504) 1(-45.23,-40.504) 1(-45.23,-40.506) 1(-45.23,-40.506) 1(-45.23,-40.506) 1(-45.23,-40.498) 1(-45.23,-40.498) 1(-45.23,-40.498) 1(-45.23,-40.471) 1(-45.23,-40.471) 1(-45.23,-40.471) 1(-45.23,-40.493) 1(-45.23,-40.493) 1(-45.23,-40.493) 1(-45.23,-40.493) 1(-45.23,-40.493) 1(-45.23,-40.493) 1(-45.23,-40.507) 1(-45.23,-40.507) 1(-45.23,-40.507) 1(-45.23,-40.495) 1(-45.23,-40.495) 1(-45.23,-40.495) 1(-45.23,-40.485) 1(-45.23,-40.485) 1(-45.23,-40.485) 1(-45.23,-40.491) 1(-45.23,-40.491) 1(-45.23,-40.491) 1(-45.23,-40.491) 1(-45.23,-40.491) 1(-45.23,-40.491) 1(-45.23,-40.488) 1(-45.23,-40.488) 1(-45.23,-40.488) 1(-45.23,-40.488) 1(-45.23,-40.488) 1(-45.23,-40.488) 1(-45.23,-40.487) 1(-45.23,-40.487) 1(-45.23,-40.487) 1(-45.23,-40.487) 1(-45.23,-40.487) 1(-45.23,-40.487) 1(-45.23,-40.509) 1(-45.23,-40.509) 1(-45.23,-40.509) 1(-45.23,-40.509) 1(-45.23,-40.509) 1(-45.23,-40.509) 1(-45.23,-40.491) 1(-45.23,-40.491) 1(-45.23,-40.491) 1(-45.23,-40.491) 1(-45.23,-40.491) 1(-45.23,-40.491) 1(-45.23,-40.489) 1(-45.23,-40.489) 1(-45.23,-40.489) 1(-45.23,-40.489) 1(-45.23,-40.489) 1(-45.23,-40.489) 1(-45.229,-40.493) 1(-45.229,-40.493) 1(-45.229,-40.493) 1(-45.229,-40.467) 1(-45.229,-40.467) 1(-45.229,-40.467) 1(-45.229,-40.467) 1(-45.229,-40.467) 1(-45.229,-40.467) 1(-45.229,-40.494) 1(-45.229,-40.494) 1(-45.229,-40.494) 1(-45.229,-40.488) 1(-45.229,-40.488) 1(-45.229,-40.488) 1(-45.229,-40.488) 1(-45.229,-40.488) 1(-45.229,-40.488) 1(-45.229,-40.484) 1(-45.229,-40.484) 1(-45.229,-40.484) 1(-45.229,-40.484) 1(-45.229,-40.484) 1(-45.229,-40.484) 1(-45.229,-40.511) 1(-45.229,-40.511)